# Altium PCB Controller(2).PcbDoc
Units mm, origin at the board's own origin, x right, y up, seen from the top; angles counter-clockwise.
Board outline 235.33 x 147.07 mm, 2 copper layers (Top Layer, Bottom Layer); 26 components, 39 nets, 135 pads, 3 vias.
Unrouted connection lines stored in the file: 6.
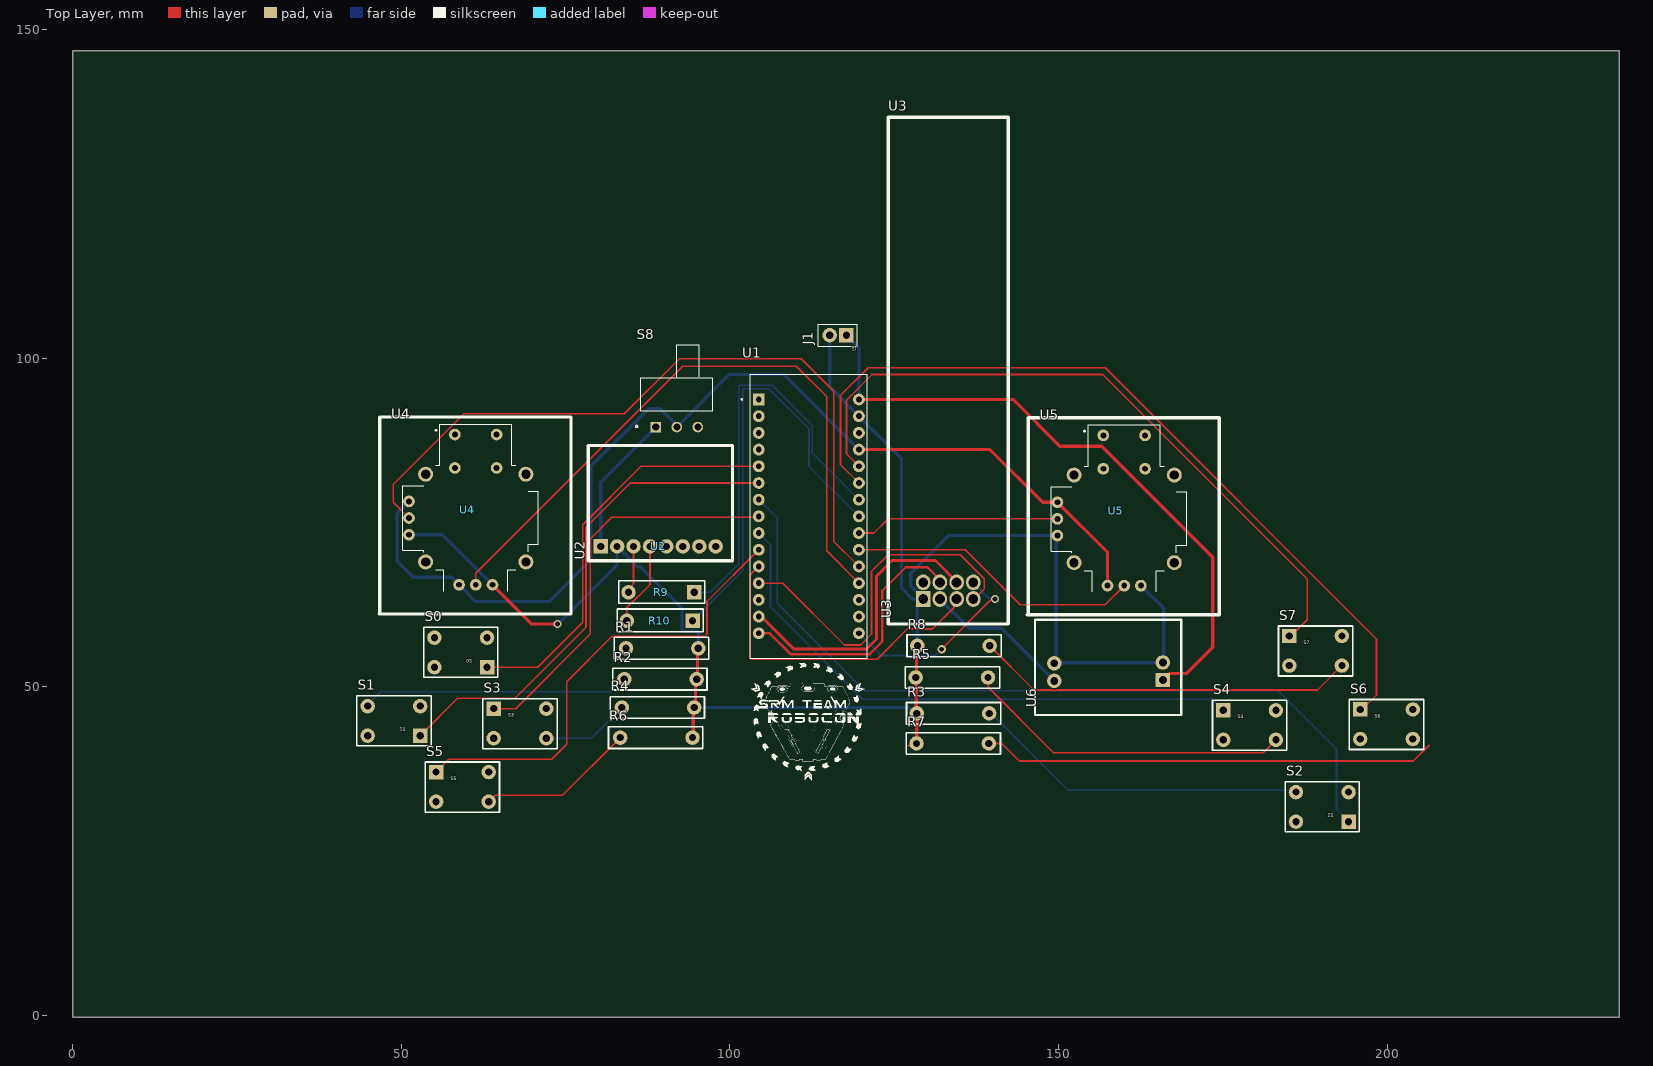
[diagram p0: Top Layer view]
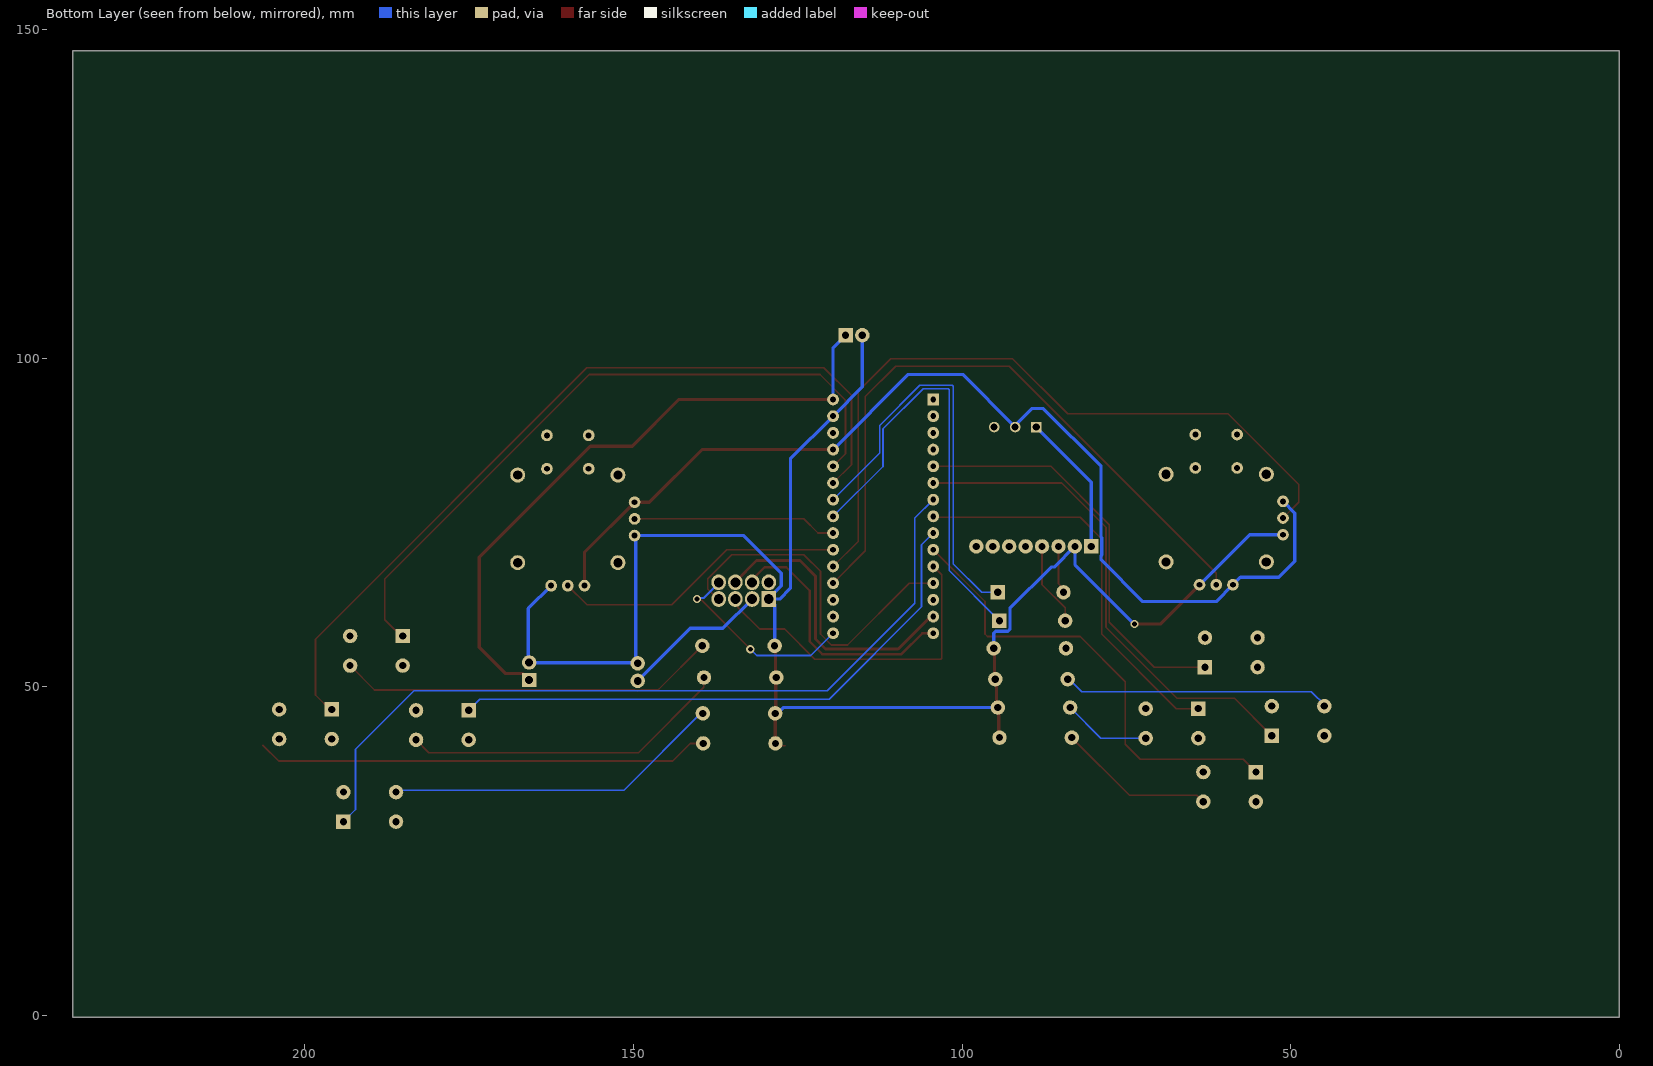
[diagram p1: Bottom Layer view, seen from below]

## Layer stack, top to bottom
Top Solder: solder mask 0.0102, Solder Resist, Dk 3.5
Top Layer: signal copper 0.0356
Dielectric 1: dielectric 0.32, FR-4, Dk 4.8
Bottom Layer: signal copper 0.0356
Bottom Solder: solder mask 0.0102, Solder Resist, Dk 3.5

## Board outline
0,-0.254 235.331,-0.254 235.331,146.812 0,146.812

## Design rules (kind name [scope] priority, off if disabled: settings)
Clearance [All] p1: gap=0.254 ignorepadtopadclearanceinfootprint=TRUE except(0: Arc-Hole Track-Hole SMDPad-Hole THPad-Hole Via-Hole Fill-Hole Poly-Hole Region-Hole Text-Hole)
PolygonConnect [All] p1: connectstyle=Relief reliefconductorwidth=0.254 reliefentries=4 polygonreliefangle="90 Angle" airgapwidth=0.254
RoutingVias [All] p1: holewidth=1 width=1.8 viastyle="Through Hole" minholewidth=0.711 minwidth=1.27 maxholewidth=1 maxwidth=1.8
SolderMaskExpansion [All] p1: expansion=0.102 istentingtop=FALSE
Width Width_pow [(InNet('3V3') AND InNet('3.3V') AND InNet('+5V') AND InNet('GND'))] p1: maxlimit=0.7 minlimit=0.254 preferedwidth=0.5
Width Width_all [All] p2: maxlimit=0.6 minlimit=0.254 preferedwidth=0.254
30 further rules are at their usual default settings.

## Components (designator, comment, footprint, x,y, rotation, side; value= is the part's Value field where it differs from the comment)
J1 "2pin male header" 2PIN 117.729,103.505 r180 top
R1 "1k res" "1K RES" 84.201,55.88 r0 top
R2 "1k res" "1K RES" 83.947,51.181 r0 top
R3 "1k res" "1K RES" 139.446,45.974 r180 top
R4 "1k res" "1K RES" 83.566,46.863 r0 top
R5 "1k res" "1K RES" 139.27,51.435 r180 top
R6 "1k res" "1K RES" 83.312,42.291 r0 top
R7 "1k res" "1K RES" 139.397,41.402 r180 top
R8 "1k res" "1K RES" 139.524,56.261 r180 top
R9 "10k ohm resistor" "10K RES" 89.582,64.389 r180 top
R10 "10k ohm resistor" "10K RES" 89.328,60.071 r180 top
S0 "PUSHBUTTON" "PUSHBUTTON - DUPLICATE" 59.055,55.245 r180 top
S1 "PUSHBUTTON" "PUSHBUTTON - DUPLICATE" 48.895,44.831 r180 top
S2 "PUSHBUTTON" "PUSHBUTTON - DUPLICATE" 190.119,31.75 r180 top
S3 "PUSHBUTTON" "PUSHBUTTON - DUPLICATE" 68.072,44.45 r0 top
S4 "PUSHBUTTON" "PUSHBUTTON - DUPLICATE" 179.07,44.196 r0 top
S5 "PUSHBUTTON" "PUSHBUTTON - DUPLICATE" 59.309,34.798 r0 top
S6 "PUSHBUTTON" "PUSHBUTTON - DUPLICATE" 199.898,44.323 r0 top
S7 "PUSHBUTTON" "PUSHBUTTON - DUPLICATE" 189.103,55.499 r0 top
S8 "Slide Switch" SLIDE_SWITCH 88.723,89.535 r0 top
U1 "nano" NANO 100.076,56.388 r0 top
U2 "mpu_6050" "MPU_6050 - DUPLICATE1" 80.344,71.374 r90 top
U3 "nrf24l01 module" NRF24L01_PA_LNA 129.413,63.373 r90 top
U4 "Joystick thumb module" JOYSTICK_9050 61.468,76.073 r0 top
U5 "Joystick thumb module" JOYSTICK_9050 160.115,75.946 r0 top
U6 "3.3 linear voltage regulator moudle" AMS1117_MODULE 165.862,51.054 r180 top

## Footprints (in the part's own frame and the unit in brackets; to place one, negate y for a bottom-side part, rotate by r counter-clockwise, add the part's x,y. Pads: shape width x height; smd on the part's side, far side on the other; paste and mask are expansions set on the pad)
"1K RES" [mm]
  round 2.2 hole 1.1: 1(0,0) 2(11,0)
  silkscreen extent -1.78,-1.65 12.57,1.65, body extent -0.28,-1.3 11.27,1.3, height 2.6
2PIN [mm]
  rect 2.2x2.2 hole 1.1: 1(0,0)
  round 2.2 hole 1.1: 2(2.54,0)
  silkscreen extent -1.65,-1.65 4.32,1.65, body extent -1.14,-1.17 3.64,1.17, height 5.35
"10K RES" [mm] "10k ohm resistor"
  rect 2.2x2.2 hole 1.1 paste-1000 mask+0: 1(-5,0)
  round 2.2 hole 1.1 paste-1000 mask+0: 2(5,0)
  silkscreen extent -6.6,-1.78 6.48,1.65, body extent -5.72,-1.35 5.72,1.35, height 0.25
AMS1117_MODULE [mm]
  rect 2.2x2.2 hole 1.2: 1(0,0)
  round 2.2 hole 1.2: 2(0,-2.667) 3(16.51,-2.54) 4(16.51,0.127)
  silkscreen extent -2.79,-9.14 19.43,5.33, body extent -1.65,-8.03 18.35,3.97, height 2.85
JOYSTICK_9050 [mil] "Joystick encoder"
  round 70 hole 35.43: B1A(-130,485) B1B(120,485) B2A(-130,285) B2B(120,285)
  round 70 hole 35: H1(-105,-415) H2(-5,-415) H3(95,-415) V1(-405,85) V2(-405,-15) V3(-405,-115)
  round 90 hole 55: S1(-305,247.5) S2(-305,-277.5) S3(295,-277.5) S4(295,247.5)
  silkscreen extent -585,-590 565,590, body extent -525,-540 525,547, height 1191
"MPU_6050 - DUPLICATE1" [mm]
  round 2.2 hole 1.1: 1(0,-17.5) 2(0,-15) 3(0,-12.5) 4(0,-10) 5(0,-7.5) 6(0,-5) 7(0,-2.5)
  rect 2.2x2.2 hole 1.1: 8(0,0)
  silkscreen extent -2.16,-20.07 15.37,1.91, body extent -1.15,-18.8 14.1,1.52, height 5.55
NANO [mm]
  rect 1.8x1.8 / inner round 1.8 / far side rect 1.8x1.8 hole 0.9: 1(4.318,37.338)
  round 1.8 hole 0.9: 2(4.318,34.798) 3(4.318,32.258) 4(4.318,29.718) 5(4.318,27.178) 6(4.318,24.638) 7(4.318,22.098) 8(4.318,19.558) 9(4.318,17.018) 10(4.318,14.478) 11(4.318,11.938) 12(4.318,9.398) 13(4.318,6.858) 14(4.318,4.318) 15(4.318,1.778) 16(19.558,1.778) 17(19.558,4.318) 18(19.558,6.858) 19(19.558,9.398) 20(19.558,11.938) 21(19.558,14.478) 22(19.558,17.018) 23(19.558,19.558) 24(19.558,22.098) 25(19.558,24.638) 26(19.558,27.178) 27(19.558,29.718) 28(19.558,32.258) 29(19.558,34.798) 30(19.558,37.338)
  silkscreen extent 1.64,-2.03 20.83,41.15, body extent 2.94,-2.04 20.94,42.96, height 12.6
NRF24L01_PA_LNA [mm]
  rect 2.4x2.2 hole 1.5: 1(0,0)
  oval 2.4x2.2 hole 1.5: 2(0,-2.54) 3(0,-5.08) 4(0,-7.62) 5(2.54,-7.62) 6(2.54,-5.08) 7(2.54,-2.54) 8(2.54,0)
  silkscreen extent -3.81,-12.95 73.28,5.33, body extent -2.29,-11.44 71.68,3.82, height 90.46
"PUSHBUTTON - DUPLICATE" [mm]
  rect 2.2x2.2 hole 1.1: 1(-4,2.25)
  round 2.2 hole 1.1: 2(-4,-2.25) 3(4,-2.25) 4(4,2.25)
  silkscreen extent -5.65,-3.85 5.65,3.77, body extent -5.06,-3.04 4.94,2.96, height 6.16
SLIDE_SWITCH [mm]
  rect 1.605x1.605 hole 1.07: 1(0,0)
  round 1.605 hole 1.07: 2(3.2,0) 3(6.4,0)
  silkscreen extent -3.06,-0.06 8.7,12.5, body extent -2.32,-0.13 8.67,12.37, height 5.61

## Part data
J1: library part 2pin
R9 R10: library part "10k res"
S8: library part slide_switch
U3: library part nrf24l01
U4 U5: library part Joystick_9050
U6: library part am1117_module

## Via types
v1: diameter 1.27, hole 0.711, Top Layer to Bottom Layer, 3 vias

## Nets (pads, with @x,y where several pads share a name; then routed paths per layer and width w, separated by ;. In a path a pad name is that pad's centre, name@x,y a point inside that pad or via, vN(x,y) a via of type N, cw(c..) or ccw(c..) an arc to the next point about the centre after c; other vN are vias at no path point)
3.3V: U3.2 U6.4 | length 22.6
  Bottom Layer w0.5: U3.2 136.398,58.928 141.351,58.928 U6.4
3V3: U1.17
+5V: S8.2 U1.27 U4.H1 U4.V1 U5.H1 U5.V1 | length 162
  Top Layer w0.5: U1.27 139.573,86.106 147.574,78.105 U5.V1 157.448,70.485 U5.H1
  Bottom Layer w0.5: U4.V1 49.403,76.454 49.403,69.11 51.838,66.675 57.658,66.675 U4.H1 61.341,62.992 72.517,62.992 78.863,69.338 78.863,69.942 78.74,70.065 78.74,72.683 78.863,72.806 78.863,83.562 87.642,92.341 89.396,92.341 91.923,89.814 S8.2 92.063,89.674 99.924,97.536 108.204,97.536 U1.27
A0: U1.19 U4.H2 | length 100.5
  Top Layer w0.254: U4.H2 61.341,67.31 92.837,98.806 110.087,98.806 114.713,94.181 114.713,70.707 U1.19
A1: U1.20 U4.V2 | length 111.4
  Top Layer w0.254: U4.V2 48.768,78.105 48.768,80.79 59.545,91.567 83.947,91.567 92.329,99.949 110.871,99.949 115.824,94.996 115.824,72.136 U1.20
A2: U1.21 U5.H2 | length 45
  Top Layer w0.254: U1.21 135.813,70.866 144.195,62.484 157.067,62.484 U5.H2
A3: U1.22 U5.V2 | length 31.1
  Top Layer w0.254: U1.22 121.92,73.406 124.079,75.565 U5.V2
A4: R10.1 U1.23 | length 67.4
  Bottom Layer w0.254: R10.1 101.981,67.724 101.981,95.228 102.13,95.377 105.918,95.377 112.038,89.257 112.038,83.542 U1.23
A5: R9.1 U1.24 | length 63.6
  Bottom Layer w0.254: R9.1 97.028,64.389 101.346,68.707 101.346,95.736 101.495,95.885 106.426,95.885 112.546,89.765 112.546,85.574 U1.24
A6: S6.1 U1.25 | length 126.8
  Top Layer w0.254: U1.25 116.84,83.82 116.84,94.361 121.031,98.552 157.099,98.552 198.374,57.277 198.374,48.768 S6.1@195.961,46.355
A7: S7.1 U1.26 | length 106.2
  Top Layer w0.254: U1.26 117.729,85.471 117.729,93.633 121.632,97.536 156.718,97.536 187.833,66.421 187.833,60.225 S7.1@184.595,56.987
D0/RX: U1.2
D1/TX: U1.1
D2: S0.1 U1.5 | length 62.7
  Top Layer w0.254: S0.1 70.775,52.995 77.597,59.817 77.597,74.676 86.487,83.566 U1.5
D3: S1.1 U1.6 | length 76.4
  Top Layer w0.254: S1.1 58.574,48.26 67.31,48.26 78.105,59.055 78.105,74.295 84.836,81.026 U1.6
D4: S2.1 U1.7 | length 123
  Bottom Layer w0.254: U1.7 107.188,75.692 107.188,62.738 120.523,49.403 183.388,49.403 192.278,40.513 192.278,31.341 S2.1
D5: S3.1 U1.8 | length 60.9
  Top Layer w0.254: S3.1 67.401,46.7 78.74,58.039 78.74,72.509 82.05,75.819 104.267,75.819 U1.8
D6: S4.1 U1.9 | length 87.4
  Bottom Layer w0.254: U1.9 106.172,71.628 106.172,62.19 120.229,48.133 173.383,48.133 S4.1
D7: S5.1 U1.10 | length 71.6
  Top Layer w0.254: S5.1 57.25,38.989 72.898,38.989 75.184,41.275 75.184,50.8 82.042,57.658 96.139,57.658 96.52,58.039 96.52,62.992 U1.10
D8: U1.11 U3.3 | length 50.2
  Top Layer w0.254: U1.11 103.113,67.045 103.113,54.378 103.262,54.229 122.428,54.229 127,58.801 130.81,58.801 134.121,62.112 134.121,63.001 U3.3
D9: U1.12 U3.4 | length 54.8
  Top Layer w0.254: U1.12 108.038,65.786 117.436,56.388 119.888,56.388 121.55,58.05 121.55,67.575 124.079,70.104 135.036,70.104 138.684,66.456 138.684,64.897 137.16,63.373 U3.4
D10: U1.13
D11/MOSI: U1.14 U3.6 | length 44.8
  Top Layer w0.254: U1.14 U1.14@104.775,60.706
  Top Layer w0.45: U1.14@104.775,60.706 109.728,55.753 120.777,55.753 122.301,57.277 122.301,66.837 124.679,69.215 131.291,69.215 134.493,66.013 U3.6
D12/MISO: U1.15 U3.7 | length 40.1
  Top Layer w0.35: U1.15 106.045,58.166 109.22,54.991 121.285,54.991 123.19,56.896 123.19,64.643 126.746,68.199 130.048,68.199 131.953,66.294 U3.7
D13/SCK: U1.16 U3.5 | length 30.8
  Top Layer w0.254: v1(132.207,55.753) 139.633,63.179 140.141,63.179 v1(140.335,63.373)
  Bottom Layer w0.254: U1.16@119.634,58.328 U1.16 123.02,54.78 131.234,54.78 v1(132.207,55.753) ; U3.5@137.033,65.813 U3.5 U3.5@137.033,66.465 ; 139.319,63.527 140.181,63.527 v1(140.335,63.373)
  Bottom Layer w0.35: U3.5@137.033,65.813 139.319,63.527
GND: J1.2 R1.2 R2.2 R3.2 R4.2 R5.2 R6.2 R7.2 R8.2 U1.29 U2.2 U3.1 U4.H3 U4.V3 U5.H3 U5.V3 U6.2 U6.3 | length 263.1
  Top Layer w0.254: R6.2 R6.2@94.439,42.418 ; R4.2@94.439,46.736 R4.2 R4.2@94.756,47.053 ; R2.2@94.756,50.99 R2.2 R2.2@95.074,51.308 ; R1.2@95.074,55.753 R1.2 ; 126.916,41.064 128.059,41.064 R7.2 R7.2@128.422,41.427 ; R3.2@128.358,46.062 R3.2 R3.2@128.422,45.949 ; R5.2@128.358,51.347 R5.2 R5.2@128.397,51.562 ; R8.2@128.397,56.134 R8.2
  Top Layer w0.5: U4.H3 69.85,59.563 v1(73.787,59.563) ; R6.2@94.439,42.418 R4.2@94.439,46.736 ; R4.2@94.756,47.053 R2.2@94.756,50.99 ; R2.2@95.074,51.308 R1.2@95.074,55.753 ; R3.2@128.358,46.062 R5.2@128.358,51.347 ; R5.2@128.397,51.562 R8.2@128.397,56.134 ; R7.2@128.422,41.427 R3.2@128.422,45.949
  Bottom Layer w0.254: R3.2@128.13,45.974 R3.2 ; U3.1@128.524,62.484 U3.1 U3.1@129.413,63.473 ; U6.3 U6.3@149.415,53.657 ; U6.3@149.479,53.975 U6.3@149.654,54.15 ; U5.V3@149.654,72.85 U5.V3 ; U6.2@165.798,53.657 U6.2
  Bottom Layer w0.5: U4.V3 56.261,73.152 U4.H3 ; v1(73.787,59.563) 82.844,68.62 82.844,71.374 85.981,68.237 86.449,68.237 92.724,61.962 92.724,58.762 93.019,58.467 94.908,58.467 95.201,58.174 R1.2 ; R4.2 127.241,46.863 R3.2@128.13,45.974 ; J1.2 115.189,95.631 U1.29 126.111,84.709 126.111,65.024 127.762,63.373 U3.1 ; R8.2 U3.1@128.524,62.484 ; U3.1@129.413,63.473 127.508,65.378 127.508,67.31 133.223,73.025 U5.V3 ; U6.3@149.415,53.657 U6.2@165.798,53.657 ; U6.3@149.654,54.15 U5.V3@149.654,72.85 ; U5.H3 165.989,61.944 U6.2@165.989,54.102
NetR1_1: R1.1 S0.3
NetR2_1: R2.1 S1.3 | length 40.9
  Bottom Layer w0.254: S1.3@44.704,47.117 46.863,49.276 81.788,49.276 83.693,51.181 R2.1
NetR3_1: R3.1 S2.3 | length 51.5
  Bottom Layer w0.254: R3.1 139.762,45.974 151.446,34.29 S2.3@186.119,34.29
NetR4_1: R4.1 S3.3 | length 13.6
  Top Layer w0.254: R4.1@83.403,46.863 R4.1
  Bottom Layer w0.254: S3.3 78.903,42.2 R4.1
NetR5_1: R5.1 S4.3 | length 50.2
  Top Layer w0.254: R5.1 139.284,51.421 139.284,49.954 149.233,40.005 181.129,40.005 S4.3
NetR6_1: R6.1 S5.3 | length 24
  Top Layer w0.254: S5.3 64.289,33.528 74.549,33.528 R6.1
NetR7_1: R7.1 S6.3 | length 69.1
  Top Layer w0.254: R7.1 141.351,41.402 144.018,38.735 203.961,38.735 206.374,41.148
NetR8_1: R8.1 S7.3 | length 57.9
  Top Layer w0.254: R8.1 146.181,49.604 146.255,49.53 148.86,49.53 ccw(c149.352,50.927) 149.844,49.53 189.384,49.53 S7.3
NetR9_2: R9.2 U2.3 | length 7.3
  Top Layer w0.254: R9.2 84.582,64.916 85.344,65.678 85.344,71.374
NetR10_2: R10.2 U2.4 | length 12.8
  Top Layer w0.254: R10.2 84.328,62.041 87.844,65.557 87.844,71.374
NetS8_1: S8.1 U2.1 | length 21.6
  Bottom Layer w0.5: 80.344,71.374 80.344,81.156 S8.1
RESET: U1.3
VIN: J1.1 U1.30 U6.1 | length 97.7
  Top Layer w0.5: U1.30 143.089,93.726 150.201,86.614 156.537,86.614 173.442,69.709 173.442,56.007 169.462,52.027 166.835,52.027 U6.1
  Bottom Layer w0.5: J1.1 119.634,101.6 U1.30
pads on no net: S0.2 S0.4 S1.2 S1.4 S2.2 S2.4 S3.2 S3.4 S4.2 S4.4 S5.2 S5.4 S6.2 S6.4 S7.2 S7.4 S8.3 U1.4 U1.18 U1.28 U2.5 U2.6 U2.7 U2.8 U3.8 U4.B1A U4.B1B U4.B2A U4.B2B U4.S1 U4.S2 U4.S3 U4.S4 U5.B1A U5.B1B U5.B2A U5.B2B U5.S1 U5.S2 U5.S3 U5.S4

## Silkscreen, mask and mechanical layers (free items; w line width, h text height)
Top Overlay:
  drawing of 45 lines, arcs and shapes, not listed